# KiCad board MCU_Bottom.kicad_pcb (continued)
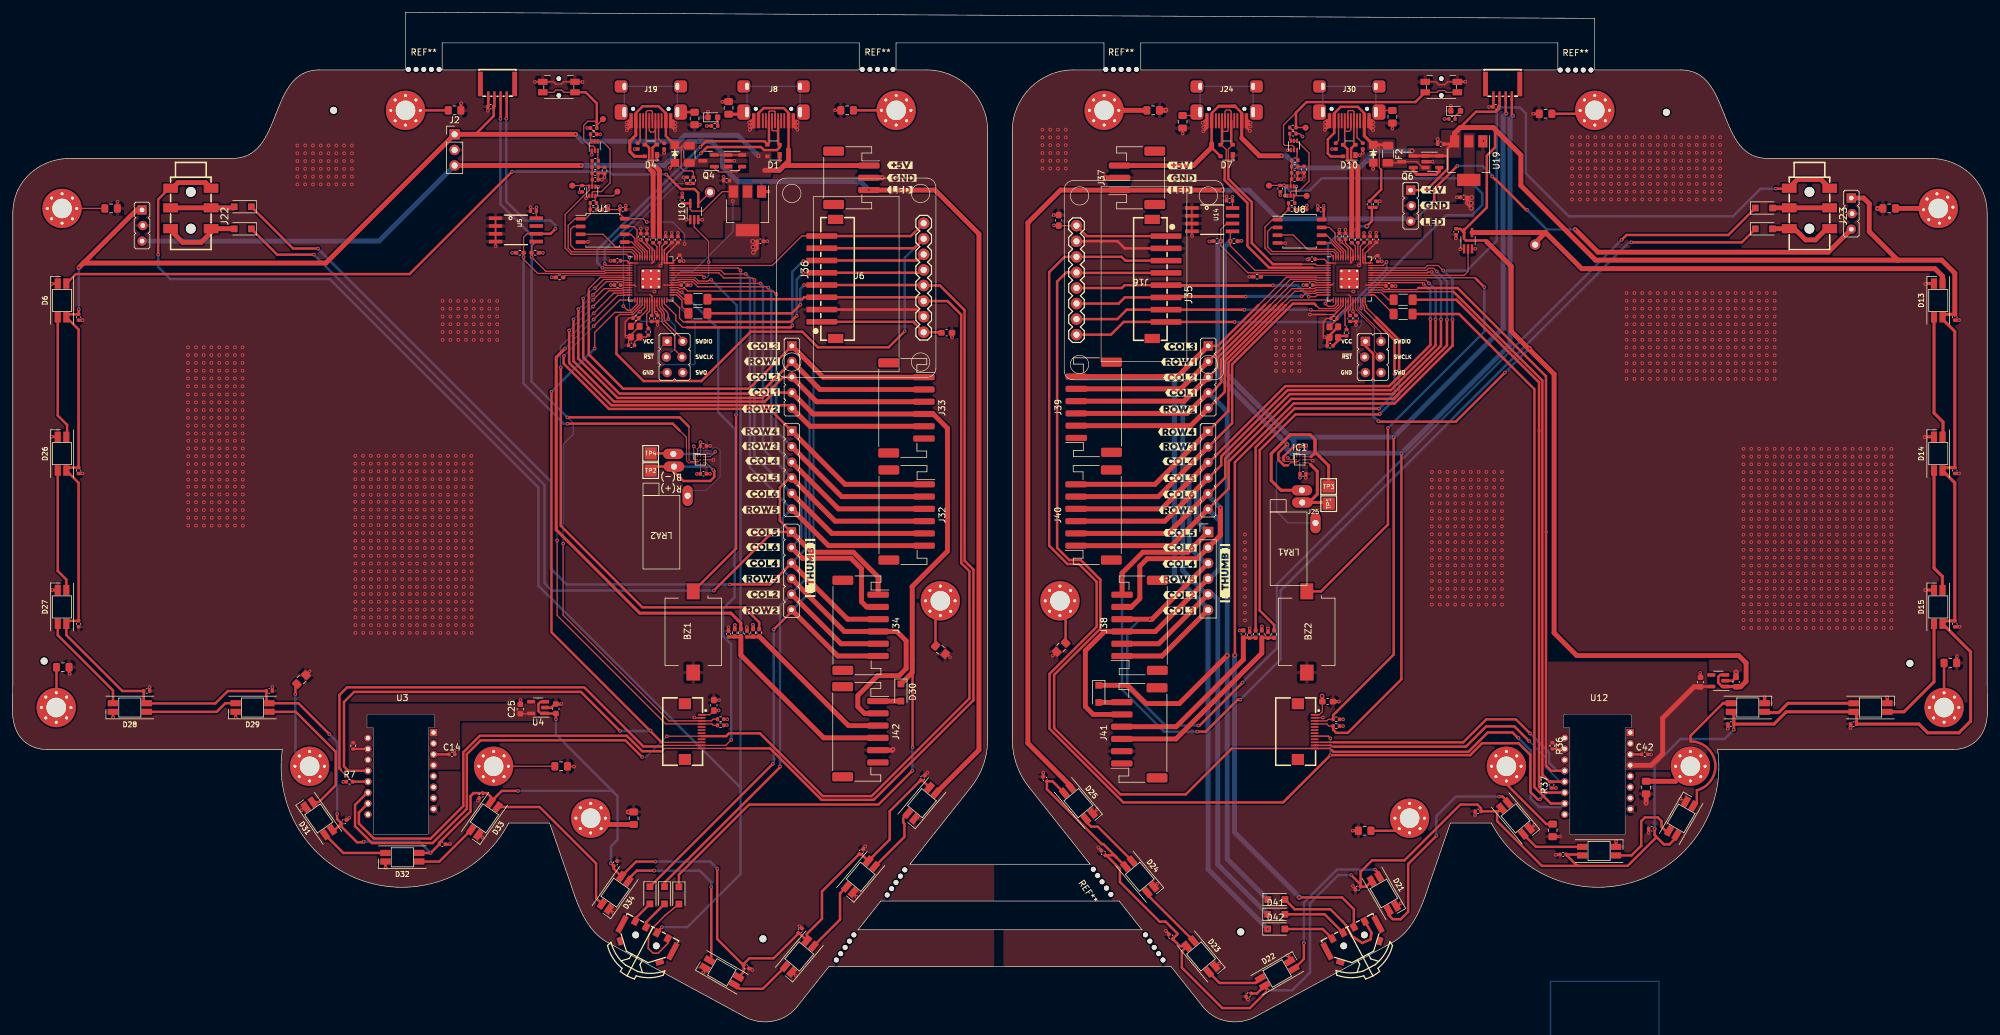
[diagram p0: board, top side]
## Placement (name value [footprint] x y rotation side) (continued)
R25  r_5.1k_0402_1p  [R_0402_1005Metric#2]  101.99 143 90 top
R26  5K1  [R_0402_1005Metric]  92.92 136.04 90 top
R27  51K  [R_0402_1005Metric]  95.05 140.59 180 top
R28  51K  [R_0402_1005Metric]  95.04 139.54 0 top
R29  51K  [R_0402_1005Metric]  96.57 139.02 270 top
R30  10k  [R_0402_1005Metric_Pad0.72x0.64mm_HandSolder]  118.79 63.61 270 top
R31  10k  [R_0402_1005Metric_Pad0.72x0.64mm_HandSolder]  117.79 63.61 270 top
R32  10k  [R_0402_1005Metric_Pad0.72x0.64mm_HandSolder]  120.79 63.61 270 top
R33  10k  [R_0402_1005Metric_Pad0.72x0.64mm_HandSolder]  121.79 63.61 90 top
R34  1K  [R_0402_1005Metric]  94.74 133.69 0 top
R35  1K  [R_0402_1005Metric]  217.54 112.54 90 top
R36  39  [R_0402_1005Metric]  251.1 45.17 270 top
R37  10k  [R_0402_1005Metric]  250.97 38.8 90 top
R38  2K2  [R_0402_1005Metric]  221.29 133.5 270 top
R39  5K1  [R_0402_1005Metric]  222.32 133.5 90 top
R40  10k  [R_0402_1005Metric_Pad0.72x0.64mm_HandSolder]  196.44 127.49 0 top
R41  10k  [R_0402_1005Metric_Pad0.72x0.64mm_HandSolder]  199.19 127.49 180 top
R42  22r  [R_1206_3216Metric_Pad1.30x1.75mm_HandSolder]  226.76 115.6 0 top
R43  22r  [R_1206_3216Metric_Pad1.30x1.75mm_HandSolder]  226.77 117.93 0 top
R44  2K2  [R_0402_1005Metric]  234.74 147.42 0 top
R45  4.7k  [R_0402_1005Metric]  215.86 48.39 180 top
R46  4.7k  [R_0402_1005Metric]  215.86 49.49 0 top
R47  10k  [R_0402_1005Metric_Pad0.72x0.64mm_HandSolder]  202.97 121.69 0 top
R48  5K1  [R_0402_1005Metric]  208.79 146.02 0 top
R49  5K1  [R_0402_1005Metric]  208.79 145.02 180 top
R50  r_5.1k_0402_1p  [R_0402_1005Metric#2]  220.19 142.99 270 top
R51  r_5.1k_0402_1p  [R_0402_1005Metric#2]  215.79 142.99 90 top
R52  5K1  [R_0402_1005Metric]  206.74 136.07 90 top
R53  51K  [R_0402_1005Metric]  209.09 140.67 180 top
R54  51K  [R_0402_1005Metric]  209.09 139.64 0 top
R55  51K  [R_0402_1005Metric]  210.62 139.19 270 top
R56  10k  [R_0402_1005Metric_Pad0.72x0.64mm_HandSolder]  205.74 63.38 270 top
R57  10k  [R_0402_1005Metric_Pad0.72x0.64mm_HandSolder]  203.73 63.39 270 top
R58  10k  [R_0402_1005Metric_Pad0.72x0.64mm_HandSolder]  200.74 63.4 270 top
R59  10k  [R_0402_1005Metric_Pad0.72x0.64mm_HandSolder]  202.72 63.39 90 top
R60  1K  [R_0402_1005Metric]  208.59 133.69 0 top
REF**  -  [MouseBite_IPC7351]  135.79 12.29 55 top
REF**#2  -  [MouseBite_IPC7351]  141.09 155.49 0 top
REF**#3  -  [MouseBite_IPC7351]  180.79 155.49 0 top
REF**#4  -  [MouseBite_IPC7351]  177.69 22.99 125 top
REF**#5  -  [MouseBite_IPC7351]  144.09 22.89 55 top
REF**#6  -  [MouseBite_IPC7351]  67.09 155.49 0 top
REF**#7  -  [MouseBite_IPC7351]  254.89 155.39 0 top
REF**#8  -  [MouseBite_IPC7351]  186.19 12.29 125 top
S1  NAV_SWITCH-_K1-1508SA-03  [SW-SMD_K1-1508SA-03]  103.28 13.36 152 top
S2  NAV_SWITCH_R-_K1-1508SA-03  [SW-SMD_K1-1508SA-03]  218.8 13.36 208 top
TP1  TestPoint  [TESTPOINT_PAD_2MM]  214.63 84.67 90 top
TP2  TestPoint  [TESTPOINT_PAD_2MM]  104.09 90.06 0 top
TP3  TestPoint  [TESTPOINT_PAD_2MM]  214.62 87.46 0 top
TP4  TestPoint  [TESTPOINT_PAD_2MM]  104.09 92.86 0 top
TP5  SWITCH  [TestPoint_SMDPad_D1.0mm_NO_SILK]  96.32 147.39 0 top
TP6  nRST  [TestPoint_SMDPad_D1.0mm_NO_SILK]  91.29 136.54 0 top
TP7  BOOT  [TestPoint_SMDPad_D1.0mm_NO_SILK]  98.67 135.57 0 top
TP8  SWITCH_R  [TestPoint_SMDPad_D1.0mm_NO_SILK]  210.87 145.99 0 top
TP9  nRST_R  [TestPoint_SMDPad_D1.0mm_NO_SILK]  204.89 136.54 0 top
TP10  BOOT_R  [TestPoint_SMDPad_D1.0mm_NO_SILK]  211.04 134.87 0 top
U1  W25Q128JVS  [SOIC-8_5.23x5.23mm_P1.27mm]  96.26 129.24 0 top
U2  RP2040  [RP2040-QFN-56]  104.12 121.32 0 top
U3  PWM3360  [DIP-16_W10.16mm-rev]  59.08 48.85 0 top
U4  TCR2EF19  [SOT-23-5]  85.74 51.41 180 top
U5  MB85RC256VPF-G-JNERE2  [SOIC8_208MIL]  82.12 129.32 270 top
U6  AZ1117-3.3  [SOT-223-3_TabPin2]  119.87 132.42 270 top
U7  JST_SH_1X4  [JST_SH 4p]  79.12 152.12 180 top
U8  W25Q128JVS  [SOIC-8_5.23x5.23mm_P1.27mm]  209.89 129.09 0 top
U9  RP2040  [RP2040-QFN-56]  217.99 121.32 0 top
U10  SN74AHCT1G125DCKR  [SOT-353_SC-70-5_Handsoldering]  111.19 132.32 90 top
U11  LMV321  [SOT-23-5]  117.86 140.59 0 top
U12  PWM3360  [DIP-16_W10.16mm-rev]  254.2 48.85 0 top
U13  TCR2EF19  [SOT-23-5]  278.15 55.79 180 top
U14  MB85RC256VPF-G-JNERE2  [SOIC8_208MIL]  195.64 130.99 270 top
U16  JST_SH_1X4  [JST_SH 4p]  242.99 152.12 180 top
U17  c  [SOT-353_SC-70-5_Handsoldering]  237.35 127.56 90 top
U18  LMV321  [SOT-23-5]  231.54 140.44 0 top
U19  AZ1117-3.3  [SOT-223-3_TabPin2]  237.47 140.62 270 top
Y1  12MHz  [Crystal_SMD_2520-4Pin_2.5x2.0mm]  101.57 112.72 90 top
Y2  12MHz  [Crystal_SMD_2520-4Pin_2.5x2.0mm]  215.47 112.64 90 top

## Library data of the parts
BZ1 BZ2 = -: Description: Buzzer, polarized; LCSC: C201041
C1 C2 C6 C11 C12 C16-C20 C22 C23 C39 C40 C43-C48 C60 C63-C89 = -: Description: Unpolarized capacitor; JLC Basic: Y; LCSC: C1525; MPN : CL05B104KO5NNNC; Manufacturer: Samsung Electro-Mechanics
C3 C4 C9 C15 = -: Description: Unpolarized capacitor; JLC Basic: Y; LCSC: C1548; MPN : 0402CG150J500NT; Manufacturer: FH(Guangdong Fenghua Advanced Tech)
C5 C21 C30 C54 = -: Description: Unpolarized capacitor; LCSC: C15849; Link: https://datasheet.lcsc.com/lcsc/1810261812_Samsung-Electro-Mechanics-CL10A105KB8NNNC_C15849.pdf; MPN: CL10A105KB8NNNC
C10 C13 C26 C41 = -: Description: Unpolarized capacitor; JLC Basic: Y; LCSC: C52923; MPN : CL10A105KB8NNNC; Manufacturer: Samsung Electro-Mechanics
C14 C42 = -: Description: Unpolarized capacitor, small symbol; LCSC: C23733
C24 C49 = -: Description: Unpolarized capacitor, small symbol; LCSC: C14663
C25 C50 = -: Description: Unpolarized capacitor, small symbol; LCSC: C15849
C27 C32 C51 C56 = -: Description: Unpolarized capacitor; JLC Basic: Y; LCSC: C307413; Link: https://www.lcsc.com/product-detail/Multilayer-Ceramic-Capacitors-MLCC-SMD-SMT_Samsung-Electro-Mechanics-CL05A105KO5NNNC_C29266.html; MPN: CL05A105KO5NNNC; Manufacturer: Samsung Electro-Mechanics
C28 C31 C52 C55 = -: Display value: 1uF; LCSC: C52923; MPN: CC0402KRX5R6BB105; Mfg: Yageo
C29 C33 C53 C57 = -: Display value: 100nf; LCSC: C1525; MPN: CL05B104KO5NNNC; Mfg: Samsung
C34 C58 = -: Description: Unpolarized capacitor; JLC Basic: Y; LCSC: C23733; MPN : CL05A475MP5NRNC; Manufacturer: Samsung Electro-Mechanics
C35 C38 C59 C62 = -: Display value: 0.1uF; LCSC: C1525; MPN: CL05B104KO5NNNC; Mfg: Samsung
C37 C61 = -: Description: Unpolarized capacitor; JLC Basic: Y; LCSC: C15525; MPN : CL05A106MQ5NUNC; Manufacturer: Samsung Electro-Mechanics
D1 D4 D7 D10 = -: Description: Ultra low capacitance double rail-to-rail ESD protection diode, SOT-143; LCSC: C2827688
D2 D8 = -: Description: Light emitting diode; JLC Basic: Y; LCSC: C72041; MPN : 19-217/BHC-ZL1M2RY/3T; Manufacturer: Everlight Elec
D3 D9 = -: Description: Unidirectional TVS, 5V; LCSC: C193402
D5 D11 D12 D30 D39-D46 = -: LCSC: C108804
D6 D13-D18 D20-D29 D31-D38 = -: Description: RGB LED with integrated controller
D19 = -: Description: RGB LED with integrated controller; Field4: D20
DRILL1-DRILL16 = -: Description: Mounting Hole with connection
F1 F2 = -: MPN: KT8-1000SMD1206; SKU: 307010001
FB1 FB3 = -: LCSC: C370576; Link: 4A 1 100Ω@100MHz ±25% 0805 Ferrite Beads ROHS; MPN: UPZ2012D101-4R0TF
FB2 FB4 = -: LCSC: C2847222; MPN: CBG100505U260T; Mfg: FH
FB5-FB20 = -: LCSC: C2847222
IC1 IC2 = -: Description: Haptic Driver for ERM/LRA with Built-In Library and Smart Loop Architecture; Arrow Part Number: DRV2605YZFT; Arrow Price/Stock: https://www.arrow.com/en/products/drv2605yzft/texas-instruments?region=nac; Height: 0.625; LCSC: C81079; Link: https://www.digikey.ph/en/products/detail/texas-instruments/DRV2605YZFT/3837530?s=N4IgTCBcDaICICUBqYBsAGArATQFoDEAVEAXQF8g; MPN: DRV2605YZFT; Manufacturer_Name: Texas Instruments; Manufacturer_Part_Number: DRV2605YZFT; Mouser Part Number: 595-DRV2605YZFT; Mouser Price/Stock: https://www.mouser.co.uk/ProductDetail/Texas-Instruments/DRV2605YZFT?qs=9Zb5cNRUa0b%2FMs2UcUX7cQ%3D%3D
J1 J5 J7 J13 = -: Description: Generic connector, single row, 01x06, script generated (kicad-library-utils/schlib/autogen/connector/)
J2 J9 J10 J21 = -: Description: Generic connector, single row, 01x03, script generated (kicad-library-utils/schlib/autogen/connector/)
J3 J37 = -: Description: 1x3P PH 1 2mm 3 Copper Alloy SMD,P=2mm Wire To Board / Wire To Wire Connector ROHS; LCSC: C265101
J4 J11 = -: Description: Generic connector, single row, 01x05, script generated (kicad-library-utils/schlib/autogen/connector/)
J6 J16 = -: Field4: VCC
J8 J24 = -: Description: USB 2.0-only Type-C Receptacle connector; LCSC: C165948; Link: https://www.lcsc.com/product-detail/USB-Connectors_Korean-Hroparts-Elec-TYPE-C-31-M-12_C165948.html; MPN: TYPE-C-31-M-12; Mfg: Korean Hroparts Elec
J12 J14 J18 J25 J26 J29 = -: Description: Generic connector, single row, 01x01, script generated (kicad-library-utils/schlib/autogen/connector/)
J15 J27 = -: Description: Generic connector, single row, 01x14, script generated (kicad-library-utils/schlib/autogen/connector/); LCSC: C479750; Link: https://www.lcsc.com/product-detail/FFC-FPC-Connectors_SHENZHEN-ATOM-TECH-FPC05012-09200_C479750.html; MPN: FPC05012-09200
J17 J28 = -: Description: 6-pin ARM SWD JTAG ISP
J19 J30 = -: Description: USB 2.0-only Type-C Receptacle connector; LCSC: C165948; MPN: TYPE-C-31-M-12; Mfg: Korean Hroparts Elec
J20 J31 = -: Description: Generic connector, single row, 01x01, script generated (kicad-library-utils/schlib/autogen/connector/); DNP: DNP
J22 = -: Description: Audio Jack, 3 Poles (Stereo / TRS); LCSC: C725771; Manufacturer: XKB Connectivity; Field7: S; Field8: C725771; Field9: R; Field10: T
J23 = -: Description: Audio Jack, 3 Poles (Stereo / TRS); LCSC: C725771; Manufacturer: XKB Connectivity; Field7: R; Field8: C725771; Field9: S; Field10: T
J32-J34 J38-J42 = -: Description: Generic connector, single row, 01x06, script generated (kicad-library-utils/schlib/autogen/connector/); LCSC: C265405
J35 J36 = -: LCSC: C64660; Manufacturer: BOOMELE(Boom Precision Elec)
K1 K2 = -: Description: Push button switch, generic, two pins; LCSC: C397351
LRA1 = -: Description: LRA mounting point; Link: https://www.digikey.ph/en/products/detail/vybronics-inc/VL120628H/15220801; Field6: B(-); Field7: R(+)
LRA2 = -: Description: LRA mounting point; Link: https://www.digikey.ph/en/products/detail/vybronics-inc/VL120628H/15220801
Q1-Q3 Q5 = -: Description: 0.7A Id, 20V Vds, Dual N-Channel MOSFET, 300mOhm Ron, SC-70-6; JLC Basic: N; LCSC: C504145; MPN : 2N7002V; Manufacturer: Changjiang Electronics Tech (CJ)
Q4 Q6 = -: Description: -4.0A Id, -30V Vds, P-Channel MOSFET, SOT-23; LCSC: C347476; Link: https://file.elecfans.com/web1/M00/8D/14/pIYBAFyewY-AWMNSAAOcj1j3J8Y904.pdf?filename=AO3401A_MOSFET_AOS.pdf
R1 R2 R8 R9 R12 R22 R23 R26 R39 R48 R49 R52 = -: Description: Resistor; JLC Basic: Y; LCSC: C25905; MPN : 0402WGF5101TCE; Manufacturer: UNI-ROYAL(Uniroyal Elec)
R3 R4 R10 R19 = -: Description: Resistor; JLC Basic: N; LCSC: C25100; MPN : 0402WGF270JTCE; Manufacturer: UNI-ROYAL(Uniroyal Elec)
R5 R34 R35 R60 = -: Description: Resistor; JLC Basic: Y; LCSC: C11702; MPN : 0402WGF1001TCE; Manufacturer: UNI-ROYAL(Uniroyal Elec)
R6 R36 = -: Description: Resistor, small symbol; LCSC: C25110
R7 R37 = -: Description: Resistor, small symbol; LCSC: C25744
R11 R17 R38 R44 = -: Description: Resistor; JLC Basic: Y; LCSC: C25879; MPN : 0402WGF2201TCE; Manufacturer: UNI-ROYAL(Uniroyal Elec)
R13 R14 R40 R41 = -: LCSC: C25744; MPN: 0402WGF5101TCE
R15 R16 R42 R43 = -: Description: Resistor; LCSC: C140034; Link: https://www.lcsc.com/product-detail/Chip-span-style-background-color-ff0-Resistor-span-Surface-Mount_FH-Guangdong-Fenghua-Advanced-Tech-RS-06K22R0FT_C140034.html; MPN: RS-06K22R0FT
R18 R20 R45 R46 = -: Description: Resistor; LCSC: C25900; MPN: 0402WGF4701TCE
R21 R30-R33 R47 R56-R59 = -: JLCPCB BOM: 1; LCSC Part: C328298
R24 R25 R50 R51 = -: Display value: 5.1k; LCSC: C25905; MPN: 0402WGF5101TCE
R27-R29 R53-R55 = -: Description: Resistor; JLC Basic: Y; LCSC: C25794; MPN : 0402WGF5102TCE; Manufacturer: UNI-ROYAL(Uniroyal Elec)
S1 S2 = -: Description: Navigation Switch Three way navigation switch. Commonly used as up/down/select on MP3 players. Schematic element and footprint production proven. <h4>SparkFun Products</h4><ul><li><a href="https://www.sparkfun.com/products/8184">Surface Mount Navigation Switch</a> (COM-08184)</li><li>Used on <a href="https://www.sparkfun.com/products/13720">SparkFun MP3 Trigger</a></li></ul>; LCSC: C502286; Link: https://www.lcsc.com/product-detail/Multi-Directional-Switches_Korean-Hroparts-Elec-K1-1508SA-03_C502286.html; MPN: K1-1508SA-03
TP1-TP4 = -: Description: test point
TP5-TP10 = -: Description: test point; DNP: DNP
U1 U8 = -: Description: 128Mb Serial Flash Memory, Standard/Dual/Quad SPI, SOIC-8; LCSC: C97521
U2 U9 = -: JLC Basic: N; LCSC: C2040; Manufacturer: Raspberry Pi
U4 U13 = -: Description: 300mA Low Dropout Voltage Regulator, Fixed Output 1.8V, SOT-23-5; LCSC: C146366
U5 U14 = -: Description: I2C Serial EEPROM, 64Kb, DIP-8/SOIC-8/TSSOP-8/DFN-8; LCSC: C126728
U6 U19 = -: Description: 1A 20V Fixed LDO Linear Regulator, 3.3V, SOT-89/SOT-223/TO-220/TO-252/TO-263; LCSC: C92517
U7 U16 = -: LCSC: C145956; Field5: C145956; Field6: 4 Pin JST SH
U10 = -: Description: Single Buffer Gate Tri-State, Low-Voltage CMOS; LCSC: C350557
U11 U18 = -: Description: Low-Voltage Rail-to-Rail Output Operational Amplifiers, SOT-23-5/SC-70-5; LCSC: C395459; Link: https://datasheet.lcsc.com/lcsc/1912111437_IDCHIP-LMV321_C395459.pdf; Manufacturer: IDCHIP
U17 = -: Description: Single Buffer Gate Tri-State, Low-Voltage CMOS; LCSC: C350557; MPN: SN74AHCT1G125DCKR
Y1 Y2 = -: Description: Four pin crystal, GND on pins 2 and 4, small symbol; JLC Basic: N; LCSC: C2149204; MPN : 2TJ412000HYGBC; Manufacturer: JYJE

## Footprints (pads in the part's own frame, mm; a bottom-side part is the same pattern mirrored in y, then rotated)
1X01_OVAL
  oval 1.676x3.353 hole 1: 1(0,0)
AUDIO-SMD_PJ-313D-B-SMT
  round 1.6 hole 1.6 unplated: (-2.7,0) (3.3,-0.008)
  rect 1.5x2.4 smd: 1(-3.3,3.3) 1(-3.3,-3.3) 2(3.3,3.3) 2(3.3,-3.3) 3(-0.1,3.3) 3(-0.1,-3.3)
Buzzer_SMD_KLJ-1102_11x9
  rect 2.6x2.1 smd: 1(-6.6,0)
  rect 2.6x2.2 smd: 2(6.65,0)
C_0402_1005Metric
  rrect 0.56x0.62 smd: 1(-0.48,0) 2(0.48,0)
C_0402_1005Metric-no silk
  rrect 0.56x0.62 smd: 1(-0.48,0) 2(0.48,0)
C_0603_1608Metric
  rrect 0.9x0.95 smd: 1(-0.775,0) 2(0.775,0)
C_0603_1608Metric_Pad1.08x0.95mm_HandSolder
  rrect 1.075x0.95 smd: 1(-0.863,0) 2(0.863,0)
CONN-SMD_P2.00_PH-8P
  rect 0.9x5 smd: 1(-6.99,1.127) 2(-4.99,1.127) 3(-2.99,1.127) 4(-0.99,1.127) 5(1.01,1.127) 6(3.01,1.127) 7(5.01,1.127) 8(7.01,1.127)
  rect 1.5x2.5 smd: 9(9.71,-1.127) 10(-9.71,-1.127)
Conn_ARM_JTAG_SWD_6
  rect 1.524x1.524 hole 0.762: 1(-1.143,2.54)
  oval 1.524x1.524 hole 0.762: 2(1.397,2.54) 3(-1.27,0) 4(1.27,0) 5(-1.143,-2.54) 6(1.397,-2.54)
Crystal_SMD_2520-4Pin_2.5x2.0mm
  rrect 1.15x1 smd: 1(-0.875,-0.7) 2(0.875,-0.7) 3(0.875,0.7) 4(-0.875,0.7)
D_SOD-123F
  rect 1.1x1.1 smd: 1(-1.4,0) 2(1.4,0)
D_SOD-123FL
  rect 1.3x1.4 smd: 1(-1.45,0) 2(1.45,0)
DIP-16_W10.16mm-rev
  rect 1.2x1.2 hole 0.7: 1(9.6,-1.52)
  round 1.2 hole 0.7: 2(9.6,-3.3) 3(9.6,-5.08) 4(9.6,-6.86) 5(9.6,-8.64) 6(9.6,-10.42) 7(9.6,-12.2) 8(9.6,-13.98) 9(-1.1,-14.87) 10(-1.1,-13.09) 11(-1.1,-11.31) 12(-1.1,-9.53) 13(-1.1,-7.75) 14(-1.1,-5.97) 15(-1.1,-4.19) 16(-1.1,-2.41)
FPC-SMD_FPC05012-09200-.5mm
  rect 0.28x1.25 smd: 1(-2.75,1.362) 2(-2.25,1.362) 3(-1.75,1.362) 4(-1.25,1.362) 5(-0.75,1.362) 6(-0.25,1.362) 7(0.25,1.362) 8(0.75,1.362) 9(1.25,1.362) 10(1.75,1.362) 11(2.25,1.362) 12(2.75,1.362)
  rect 1.8x2 smd: 13(4.55,-1.362) 14(-4.55,-1.362)
Fuse_1206_3216Metric
  rrect 1.25x1.75 smd: 1(-1.4,0) 2(1.4,0)
HRO-TYPE-C-31-M-12-mod
  round 0.65 hole 0.65 unplated: (-2.89,2.25) (2.89,2.25)
  rect 0.57x2.45 smd: A1(-3.225,4.195) A4(-2.45,4.195) B1(3.225,4.195) B4(2.45,4.195)
  rect 0.3x2.45 smd: A5(-1.25,4.195) A6(-0.25,4.195) A7(0.25,4.195) A8(1.25,4.195) B5(1.75,4.195) B6(0.75,4.195) B7(-0.75,4.195) B8(-1.75,4.195)
  rrect 2.1x2.5 smd: S1(-4.85,2.78) S1(4.85,2.78)
  rrect 2.1x2 smd: S1(-4.85,-1.4) S1(4.85,-1.4)
  oval 1x2.1 hole 0.6x1.7: S1(-4.32,2.78) S1(4.32,2.78)
  oval 1x1.6 hole 0.6x1.2: S1(-4.32,-1.4) S1(4.32,-1.4)
JLC_SMT_Assembly_Hole
  round 1.152 hole 1.152 unplated: (-0.025,-2.175)
JST_PH_S3B-PH-SM4-TB_1x03-1MP_P2.00mm_Horizontal
  rrect 1x3.5 smd: 1(-2,2.85) 2(0,2.85) 3(2,2.85)
  rrect 1.5x3.4 smd: MP(-4.35,-2.9) MP(4.35,-2.9)
JST_PH_S6B-PH-SM4-TB_1x06-1MP_P2.00mm_Horizontal
  rrect 1x3.5 smd: 1(-5,2.85) 2(-3,2.85) 3(-1,2.85) 4(1,2.85) 5(3,2.85) 6(5,2.85)
  rrect 1.5x3.4 smd: MP(-7.35,-2.9) MP(7.35,-2.9)
JST_SH 4p
  rect 0.8x4 smd: 0(-2.8,-0.999) 0(2.8,-0.999)
  rect 0.4x1.6 smd: 1(-1.498,0.999) 2(-0.498,0.999) 3(0.502,0.999) 4(1.502,0.999)
L_0805_2012Metric_Pad1.15x1.40mm_HandSolder
  rrect 1.15x1.4 smd: 1(-1.025,0) 2(1.025,0)
LED_0603_1608Metric
  rrect 0.875x0.95 smd: 1(-0.787,0) 2(0.787,0)
MountingHole_3.2mm_M3_Pad_Via
  round 0.8 hole 0.5: 1(-2.4,0) 1(-1.697,1.697) 1(-1.697,-1.697) 1(0,2.4) 1(0,-2.4) 1(1.697,1.697) 1(1.697,-1.697) 1(2.4,0)
  round 6.4 hole 3.2: 1(0,0)
MouseBite_IPC7351
  round 0.8 hole 0.8 unplated: (-2.5,0) (-1.25,0) (0,0) (1.25,0) (2.5,0)
Panasonic_EVQPUL_EVQPUC
  round 0.75 hole 0.75 unplated: (0,1.375) (0,-1.375)
  rect 1.55x1 smd: 1(-2.625,0.85) 1(2.625,0.85) 2(-2.625,-0.85) 2(2.625,-0.85)
PinHeader_1x01_P2.54mm_Circle
  round 1.7 hole 1: 1(0,0)
PinHeader_1x03_P2.54mm_Vertical
  rect 1.7x1.7 hole 1: 1(0,0)
  oval 1.7x1.7 hole 1: 2(0,-2.54) 3(0,-5.08)
PinHeader_1x3_staggered_P2.54mm_Vertical
  rect 1.524x1.524 hole 0.762: 1(0,2.54)
  oval 1.524x1.524 hole 0.762: 2(0.127,0) 3(0,-2.54)
PinHeader_1x5_P2.54mm_Vertical
  rect 1.524x1.524 hole 0.762: 1(0,5.08)
  oval 1.524x1.524 hole 0.762: 2(0,2.54) 3(0,0) 4(0,-2.54) 5(0,-5.08)
PinHeader_1x6_P2.54mm_Vertical
  rect 1.524x1.524 hole 0.762: 1(0,6.35)
  oval 1.524x1.524 hole 0.762: 2(0,3.81) 3(0,1.27) 4(0,-1.27) 5(0,-3.81) 6(0,-6.35)
PinHeader_1x06_P2.54mm_Vertical
  rect 1.7x1.7 hole 1: 1(0,0)
  oval 1.7x1.7 hole 1: 2(0,-2.54) 3(0,-5.08) 4(0,-7.62) 5(0,-10.16) 6(0,-12.7)
R_0402_1005Metric
  rrect 0.54x0.64 smd: 1(-0.51,0) 2(0.51,0)
R_0402_1005Metric#2
  rrect 0.59x0.64 smd: 1(-0.485,0) 2(0.485,0)
R_0402_1005Metric_Pad0.72x0.64mm_HandSolder
  rrect 0.715x0.64 smd: 1(-0.598,0) 2(0.598,0)
R_1206_3216Metric_Pad1.30x1.75mm_HandSolder
  rrect 1.3x1.75 smd: 1(-1.55,0) 2(1.55,0)
RP2040-QFN-56
  rrect 1.084x1.084 smd: (-0.637,0.637) (-0.637,-0.637) (0.637,0.637) (0.637,-0.637)
  rrect 0.875x0.2 smd: 1(-3.438,2.6) 2(-3.438,2.2) 3(-3.438,1.8) 4(-3.438,1.4) 5(-3.438,1) 6(-3.438,0.6) 7(-3.438,0.2) 8(-3.438,-0.2) 9(-3.438,-0.6) 10(-3.438,-1) 11(-3.438,-1.4) 12(-3.438,-1.8) 13(-3.438,-2.2) 14(-3.438,-2.6) 29(3.438,-2.6) 30(3.438,-2.2) 31(3.438,-1.8) 32(3.438,-1.4) 33(3.438,-1) 34(3.438,-0.6) 35(3.438,-0.2) 36(3.438,0.2) 37(3.438,0.6) 38(3.438,1) 39(3.438,1.4) 40(3.438,1.8) 41(3.438,2.2) 42(3.438,2.6)
  rrect 0.2x0.875 smd: 15(-2.6,-3.438) 16(-2.2,-3.438) 17(-1.8,-3.438) 18(-1.4,-3.438) 19(-1,-3.438) 20(-0.6,-3.438) 21(-0.2,-3.438) 22(0.2,-3.438) 23(0.6,-3.438) 24(1,-3.438) 25(1.4,-3.438) 26(1.8,-3.438) 27(2.2,-3.438) 28(2.6,-3.438) 43(2.6,3.438) 44(2.2,3.438) 45(1.8,3.438) 46(1.4,3.438) 47(1,3.438) 48(0.6,3.438) 49(0.2,3.438) 50(-0.2,3.438) 51(-0.6,3.438) 52(-1,3.438) 53(-1.4,3.438) 54(-1.8,3.438) 55(-2.2,3.438) 56(-2.6,3.438)
  round 0.6 hole 0.35: 57(-1.275,1.275) 57(-1.275,0) 57(-1.275,-1.275) 57(0,1.275) 57(0,0) 57(0,-1.275) 57(1.275,1.275) 57(1.275,0) 57(1.275,-1.275)
  rrect 3.2x3.2 smd: 57(0,0)
ScyllaBallz-SK6812MINI-E
  rect 1.7x1 smd: 1(-2.75,-0.7) 2(-2.75,0.7) 3(2.75,0.7) 4(2.75,-0.7)
SOIC8_208MIL
  rect 0.6x2.2 smd: 1(-1.905,-3.315) 2(-0.635,-3.315) 3(0.635,-3.315) 4(1.905,-3.315) 5(1.905,3.315) 6(0.635,3.315) 7(-0.635,3.315) 8(-1.905,3.315)
SOIC-8_5.23x5.23mm_P1.27mm
  rrect 1.6x0.6 smd: 1(-3.6,1.905) 2(-3.6,0.635) 3(-3.6,-0.635) 4(-3.6,-1.905) 5(3.6,-1.905) 6(3.6,-0.635) 7(3.6,0.635) 8(3.6,1.905)
SOT-23
  rrect 1.475x0.6 smd: 1(-0.938,0.95) 2(-0.938,-0.95) 3(0.938,0)
SOT-23-5
  rrect 1.325x0.6 smd: 1(-1.137,0.95) 2(-1.137,0) 3(-1.137,-0.95) 4(1.137,-0.95) 5(1.137,0.95)
SOT-143
  rect 0.7x1 smd: 1(-1,0.75)
  rect 0.7x0.6 smd: 2(-1,-0.95) 3(1,-0.95) 4(1,0.95)
SOT-223-3_TabPin2
  rect 2x1.5 smd: 1(-3.15,2.3) 2(-3.15,0) 3(-3.15,-2.3)
  rect 2x3.8 smd: 2(3.15,0)
SOT-353_SC-70-5_Handsoldering
  rect 1.5x0.4 smd: 1(-1.33,0.65) 2(-1.33,0) 3(-1.33,-0.65) 4(1.33,-0.65) 5(1.33,0.65)
SOT-563
  rect 0.7x0.34 smd: 1(-0.75,0.5) 2(-0.75,0) 3(-0.75,-0.5) 4(0.75,-0.5) 5(0.75,0) 6(0.75,0.5)
ST7735s -160x80
  round 1.88 hole 1.016: 1(10.48,-8.69) 2(10.48,-6.15) 3(10.48,-3.61) 4(10.48,-1.07) 5(10.48,1.47) 6(10.48,4.01) 7(10.48,6.55) 8(10.48,9.09)
SW-SMD_K1-1508SA-03
  round 1.1 hole 1.1 unplated: (-1.9,-0.08) (1.9,-0.08)
  rect 1x1.3 smd: 1(-3,-2.03) 2(3,-2.03) C(-1,-2.03) T(1,-2.03)
  rect 0.9x3 smd: 5(-4.7,-0.58) 6(4.7,-0.58)
  rect 1.3x0.8 smd rot 45: 7(-3.68,2.03)
  rect 1.3x0.8 smd rot 135: 8(3.68,2.03)
TESTPOINT_PAD_2MM
  rect 2x2 smd: 1(0,0)
TestPoint_SMDPad_D1.0mm_NO_SILK
  round 1 smd: 1(0,0)
Texas_DSBGA-9_1.4715x1.4715mm_Layout3x3_P0.5mm
  rect 0.3x0.3 smd: (-0.5,0.5) (-0.5,0) (-0.5,-0.5) (0,0.5) (0,0) (0,-0.5) (0.5,0.5) (0.5,0) (0.5,-0.5)
  round 0.165 smd: A1(-0.5,0.5) A2(0,0.5) A3(0.5,0.5) B1(-0.5,0) B2(0,0) B3(0.5,0) C1(-0.5,-0.5) C2(0,-0.5) C3(0.5,-0.5)

## Nets
+1V1: C10.1 C22.1 C23.1 U2.23 U2.45 U2.50
+1V1_R: C26.1 C47.1 C48.1 U9.23 U9.45 U9.50
+1V8: C25.1 R6.1 U3.4 U4.5
+1V8_R: C50.1 R36.1 U12.4 U13.5
+3V3: C1.1 C2.1 C5.1 C11.1 C12.1 C13.2 C16.1 C18.1 C19.1 C20.1 C27.1 C29.2 C30.1 C31.1 C32.1 IC2.A1 IC2.A2 IC2.C2 J6.1 J15.1 J36.1 R1.1 R7.1 R13.1 R14.1 R17.1 R18.1 R20.2 R21.1 R22.1 R23.1 R26.1 R31.1 R32.1 U1.8 U2.1 U2.10 U2.22 U2.33 U2.42 U2.43 U2.44 U2.48 U2.49 U3.5 U5.8 U6.2
+3V3_R: C6.2 C17.1 C21.1 C39.1 C40.1 C41.2 C43.1 C44.1 C45.1 C46.1 C51.1 C53.2 C54.1 C55.1 C56.1 IC1.A1 IC1.A2 IC1.C2 J16.1 J27.1 J35.1 R8.1 R37.1 R40.1 R41.1 R44.1 R45.1 R46.2 R48.1 R49.1 R52.1 R57.1 R58.1 U8.8 U9.1 U9.10 U9.22 U9.33 U9.42 U9.43 U9.44 U9.48 U9.49 U12.5 U14.8 U19.2
+5V: C24.2 C28.1 C33.1 C60.2 C77.2 C78.2 C79.2 C80.2 C81.2 C82.2 C83.2 C84.2 C85.2 C86.2 C87.2 C88.2 C89.2 D1.4 D6.3 D26.3 D27.3 D28.3 D29.3 D31.3 D32.3 D33.3 D34.3 D35.3 D36.3 D37.3 D38.3 J2.1 J3.1 J8.A4 J8.B4 J17.1 J21.1 Q4.2 U4.1 U4.3 U6.3 U7.3 U10.5 U11.1 U11.5
+5V_R: C49.2 C52.1 C57.1 C63.2 C64.2 C65.2 C66.2 C67.2 C68.2 C69.2 C70.2 C71.2 C72.2 C73.2 C74.2 C75.2 C76.2 D7.4 D13.3 D14.3 D15.3 D16.3 D17.3 D18.3 D19.3 D20.3 D21.3 D22.3 D23.3 D24.3 D25.3 J9.1 J10.1 J24.A4 J24.B4 J28.1 J37.3 Q6.2 U13.1 U13.3 U16.3 U17.5 U18.1 U18.5 U19.3
/Left/VBUS: D3.1 D4.4 F1.1 J19.A4 J19.B4 R11.1
/Right/VBUS_R: D9.1 D10.4 F2.1 J30.A4 J30.B4 R38.1
GND: BZ1.2 C1.2 C2.2 C3.1 C4.1 C5.2 C10.2 C11.2 C12.2 C13.1 C14.2 C16.2 C18.2 C19.2 C20.2 C22.2 C23.2 C24.1 C25.2 C27.2 C28.2 C29.1 C30.2 C31.2 C32.2 C33.2 C34.2 C35.2 C37.2 C38.2 C60.1 C77.1 C78.1 C79.1 C80.1 C81.1 C82.1 C83.1 C84.1 C85.1 C86.1 C87.1 C88.1 C89.1 D1.1 D2.1 D3.2 D4.1 D6.1 D26.1 D27.1 D28.1 D29.1 D31.1 D32.1 D33.1 D34.1 D35.1 D36.1 D37.1 D38.1 FB1.2 FB2.2 FB5.2 FB6.2 FB9.2 FB10.2 FB11.2 FB12.2 FB13.2 FB14.2 IC2.B3 J2.2 J3.2 J6.2 J8.A1 J8.B1 J15.2 J17.5 J19.A1 J19.B1 J21.2 J36.2 J42.5 K1.1 Q2.1 Q3.1 Q3.4 R12.2 R24.2 R25.1 R29.2 U1.4 U2.19 U2.57 U3.8 U4.2 U5.1 U5.2 U5.3 U5.4 U6.1 U7.4 U10.1 U10.3 U11.2 Y1.2 Y1.4
GND2: BZ2.2 C6.1 C9.1 C15.1 C17.2 C21.2 C26.2 C39.2 C40.2 C41.1 C42.2 C43.2 C44.2 C45.2 C46.2 C47.2 C48.2 C49.1 C50.2 C51.2 C52.2 C53.1 C54.2 C55.2 C56.2 C57.2 C58.2 C59.2 C61.2 C62.2 C63.1 C64.1 C65.1 C66.1 C67.1 C68.1 C69.1 C70.1 C71.1 C72.1 C73.1 C74.1 C75.1 C76.1 D7.1 D8.1 D9.2 D10.1 D13.1 D14.1 D15.1 D16.1 D17.1 D18.1 D19.1 D20.1 D21.1 D22.1 D23.1 D24.1 D25.1 FB3.2 FB4.2 FB7.2 FB8.2 FB15.2 FB16.2 FB17.2 FB18.2 FB19.2 FB20.2 IC1.B3 J9.2 J10.2 J16.2 J24.A1 J24.B1 J27.2 J28.5 J30.A1 J30.B1 J35.2 J37.2 J41.2 K2.1 Q1.1 Q5.1 Q5.4 R39.2 R47.1 R50.2 R51.1 R55.2 U8.4 U9.19 U9.57 U12.8 U13.2 U14.1 U14.2 U14.3 U14.4 U16.4 U17.1 U17.3 U18.2 U19.1 Y2.2 Y2.4
VBUS_DETECT: R11.2 R12.1 U2.16
VBUS_DETECT_R: R38.2 R39.1 U9.16
VBUS_FUSED: F1.2 Q4.3 U11.3
VBUS_FUSED_R: F2.2 Q6.3 U18.3
/Left/BOOT: Q3.3 R34.2 TP7.1
/Left/FLASH_nCS: R2.2 R34.1 U1.1 U2.56
/Left/FLASH_SCK: U1.6 U2.52
/Left/FLASH_SD0: U1.5 U2.53
/Left/FLASH_SD1: U1.2 U2.55
/Left/FLASH_SD2: U1.3 U2.54
/Left/FLASH_SD3: U1.7 U2.51
/Left/nRST: J17.3 Q3.6 R26.2 TP6.1 U2.26
/Left/SWITCH: K1.2 Q2.2 R22.2 TP5.1
/Right/BOOT_R: Q5.3 R60.2 TP10.1
/Right/FLASH_nCS_R: R9.2 R60.1 U8.1 U9.56
/Right/FLASH_SCK_R: U8.6 U9.52
/Right/FLASH_SD0_R: U8.5 U9.53
/Right/FLASH_SD1_R: U8.2 U9.55
/Right/FLASH_SD2_R: U8.3 U9.54
/Right/FLASH_SD3_R: U8.7 U9.51
/Right/nRST_R: J28.3 Q5.6 R52.2 TP9.1 U9.26
/Right/SWITCH_R: K2.2 Q1.2 R48.2 TP8.1
/SHIELD1: DRILL1.1 FB5.1
/SHIELD2: DRILL2.1 FB6.1
/SHIELD3: DRILL3.1 FB7.1
/SHIELD4: DRILL4.1 FB8.1
/SHIELD5: DRILL5.1 FB9.1
/SHIELD6: DRILL6.1 FB10.1
/SHIELD7: DRILL7.1 FB11.1
/SHIELD8: DRILL8.1 FB12.1
/SHIELD9: DRILL9.1 FB13.1
/SHIELD10: DRILL10.1 FB14.1
/SHIELD11: DRILL11.1 FB15.1
/SHIELD12: DRILL12.1 FB16.1
/SHIELD13: DRILL13.1 FB17.1
/SHIELD14: DRILL14.1 FB18.1
/SHIELD15: DRILL15.1 FB19.1
/SHIELD16: DRILL16.1 FB20.1
AUDIO: BZ1.1 U2.36
AUDIO_R: BZ2.1 U9.36
col1: D5.1 D30.1 J4.4 J33.4 U2.11
col1_R: D11.1 D12.1 J11.4 J39.3 U9.11
col2: D39.1 J1.5 J4.3 J33.3 J34.5 U2.9
col2_R: D41.1 J7.5 J11.3 J38.2 J39.4 U9.9
col3: D40.1 J1.6 J4.1 J33.1 J34.6 U2.7
col3_R: D42.1 J7.6 J11.1 J38.1 J39.6 U9.7
col4: D43.1 J1.3 J5.3 J32.3 J34.3 U2.34
col4_R: D45.1 J7.3 J13.3 J38.4 J40.4 U9.34
col5: D44.1 J1.1 J5.4 J32.4 J34.1 U2.35
col5_R: D46.1 J7.1 J13.4 J38.6 J40.3 U9.35
col6: J1.2 J5.5 J32.5 J34.2 U2.38
col6_R: J7.2 J13.5 J38.5 J40.2 U9.38
COMMS+: D1.3 J8.A6 J8.B6 U2.3
COMMS+_R: D7.3 J24.A6 J24.B6 U9.3
COMMS-: D1.2 J8.A7 J8.B7 U2.2
COMMS-_R: D7.2 J24.A7 J24.B7 U9.2
D+: D4.3 J19.A6 J19.B6 R3.1
D+_R: D10.3 J30.A6 J30.B6 R10.1
D-: D4.2 J19.A7 J19.B7 R4.1
D-_R: D10.2 J30.A7 J30.B7 R19.1
DC: J6.6 J36.6 U2.27
DC_R: J16.6 J35.6 U9.13
DR0: J15.9
DR0_R: J27.9
ENCA: R33.2 U2.13
ENCA1: C38.1 J42.3 R32.2 R33.1
ENCA1_R: C62.1 J41.4 R58.2 R59.1
ENCA_R: R59.2 U9.27
ENCB: R30.1 U2.14
ENCB1: C35.1 J42.4 R30.2 R31.2
ENCB1_R: C59.1 J41.3 R56.2 R57.2
ENCB_R: R56.1 U9.28
LCD_BL: J6.8 J36.8 U2.41
LCD_BL_R: J16.8 J35.8 U9.41
LED_3v: U2.37 U10.2
LED_3v_R: U9.37 U17.2
LED_5v: D6.2 J20.1 U10.4
LED_5v_OUT: D38.4 J2.3 J3.3 J21.3
LED_5v_R: D13.2 J31.1 U17.4
LED_5v_R_OUT: D25.4 J9.3 J10.3 J37.1
MB1: J15.5
MB1_R: J27.5
MB2: J15.6
MB2_R: J27.6
MB3: J15.7
MB3_R: J27.7
MISO: J15.11 R7.2 U2.31 U3.12
MISO_R: J27.11 R37.2 U9.31 U12.12
MOSI: J6.3 J15.8 J36.3 R16.2 U3.11
MOSI_PIN: R16.1 U2.30
MOSI_R: J16.3 J27.8 J35.3 R43.2 U12.11
MOSI_R_PIN_R: R43.1 U9.30
MOTION: U3.9
NCS: J15.10 U2.17 U3.13
NCS_R: J27.10 U9.32 U12.13
OLED_CS: J6.5 J36.5 U2.28
OLED_CS_R: J16.5 J35.5 U9.14
OUT+: IC2.A3 J18.1 TP4.1
OUT+_R: IC1.A3 J29.1 TP3.1
OUT-: IC2.C3 J14.1 TP2.1
OUT-_R: IC1.C3 J26.1 TP1.1
row1: J4.2 J33.2 U2.8
row1_R: J11.2 J39.5 U9.8
row2: J4.5 J33.5 U2.12
row2_R: J11.5 J39.2 U9.12
row3: J5.2 J32.2 U2.32
row3_R: J13.2 J40.5 U9.17
row4: J5.1 J32.1 U2.15
row4_R: J13.1 J40.6 U9.15
row5: J1.4 J5.6 J32.6 J34.4 J42.2 U2.39
row5_R: J7.4 J13.6 J38.3 J40.1 J41.5 U9.39
row6: J22.1 S1.C U2.40
row6_R: J23.1 S2.C U9.40
RST: J6.7 J36.7 U2.18
RST_R: J16.7 J35.7 U9.18
SCK: J6.4 J15.12 J36.4 R15.2 U3.10
SCK_PIN: R15.1 U2.29
SCK_R: J16.4 J27.12 J35.4 R42.2 U12.10
SCK_R_PIN_R: R42.1 U9.29
SCL: IC2.C1 J15.4 R13.2 R18.2 U2.5 U5.6 U7.1
SCL_R: IC1.C1 J27.4 R40.2 R45.2 U9.5 U14.6 U16.1
SDA: IC2.B2 J15.3 R14.2 R20.1 U2.4 U5.5 U7.2
SDA_R: IC1.B2 J27.3 R41.2 R46.1 U9.4 U14.5 U16.2
SPLIT_HAND: R21.2 U2.6
SPLIT_HAND_R: R47.2 U9.6
SWCLK: J17.4 U2.24
SWCLK_R: J28.4 U9.24
SWDIO: J17.2 U2.25
SWDIO_R: J28.2 U9.25
Net-(C4-Pad2): C4.2 R5.1 Y1.1
Net-(C15-Pad2): C15.2 R35.1 Y2.1
Net-(D2-A): D2.2 R17.2
Net-(D5-A): D5.2 S1.1
Net-(D8-A): D8.2 R44.2
Net-(D11-A): D11.2 S2.1
Net-(D12-A): D12.2 J41.6
Net-(D13-DOUT): D13.4 D14.2
Net-(D14-DOUT): D14.4 D15.2
Net-(D15-DOUT): D15.4 D16.2
Net-(D16-DOUT): D16.4 D17.2
Net-(D17-DOUT): D17.4 D18.2
Net-(D18-DOUT): D18.4 D19.2
Net-(D19-DOUT): D19.4 D20.2
Net-(D20-DOUT): D20.4 D21.2
Net-(D21-DOUT): D21.4 D22.2
Net-(D22-DOUT): D22.4 D23.2
Net-(D23-DOUT): D23.4 D24.2
Net-(D24-DOUT): D24.4 D25.2
Net-(D26-DIN): D6.4 D26.2
Net-(D26-DOUT): D26.4 D27.2
Net-(D27-DOUT): D27.4 D28.2
Net-(D28-DOUT): D28.4 D29.2
Net-(D29-DOUT): D29.4 D31.2
Net-(D30-A): D30.2 J42.1
Net-(D31-DOUT): D31.4 D32.2
Net-(D32-DOUT): D32.4 D33.2
Net-(D33-DOUT): D33.4 D34.2
Net-(D34-DOUT): D34.4 D35.2
Net-(D35-DOUT): D35.4 D36.2
Net-(D36-DOUT): D36.4 D37.2
Net-(D37-DOUT): D37.4 D38.2
Net-(D39-A): D39.2 S1.T
Net-(D40-A): D40.2 S1.2
Net-(D41-A): D41.2 S2.T
Net-(D42-A): D42.2 S2.2
Net-(D43-A): D43.2 J22.3
Net-(D44-A): D44.2 J22.2
Net-(D45-A): D45.2 J23.3
Net-(D46-A): D46.2 J23.2
Net-(IC1-IN/TRIG): IC1.B1 J25.1
Net-(IC2-IN/TRIG): IC2.B1 J12.1
Net-(J8-SHIELD): FB1.1 J8.S1
Net-(J19-CC1): J19.A5 R24.1
Net-(J19-CC2): J19.B5 R25.2
Net-(J19-SHIELD): FB2.1 J19.S1
Net-(J24-SHIELD): FB3.1 J24.S1
Net-(J30-CC1): J30.A5 R50.1
Net-(J30-CC2): J30.B5 R51.2
